# Altium PCB reefpi_pico_v2.pcbdoc (part 1 of 2) (continued)
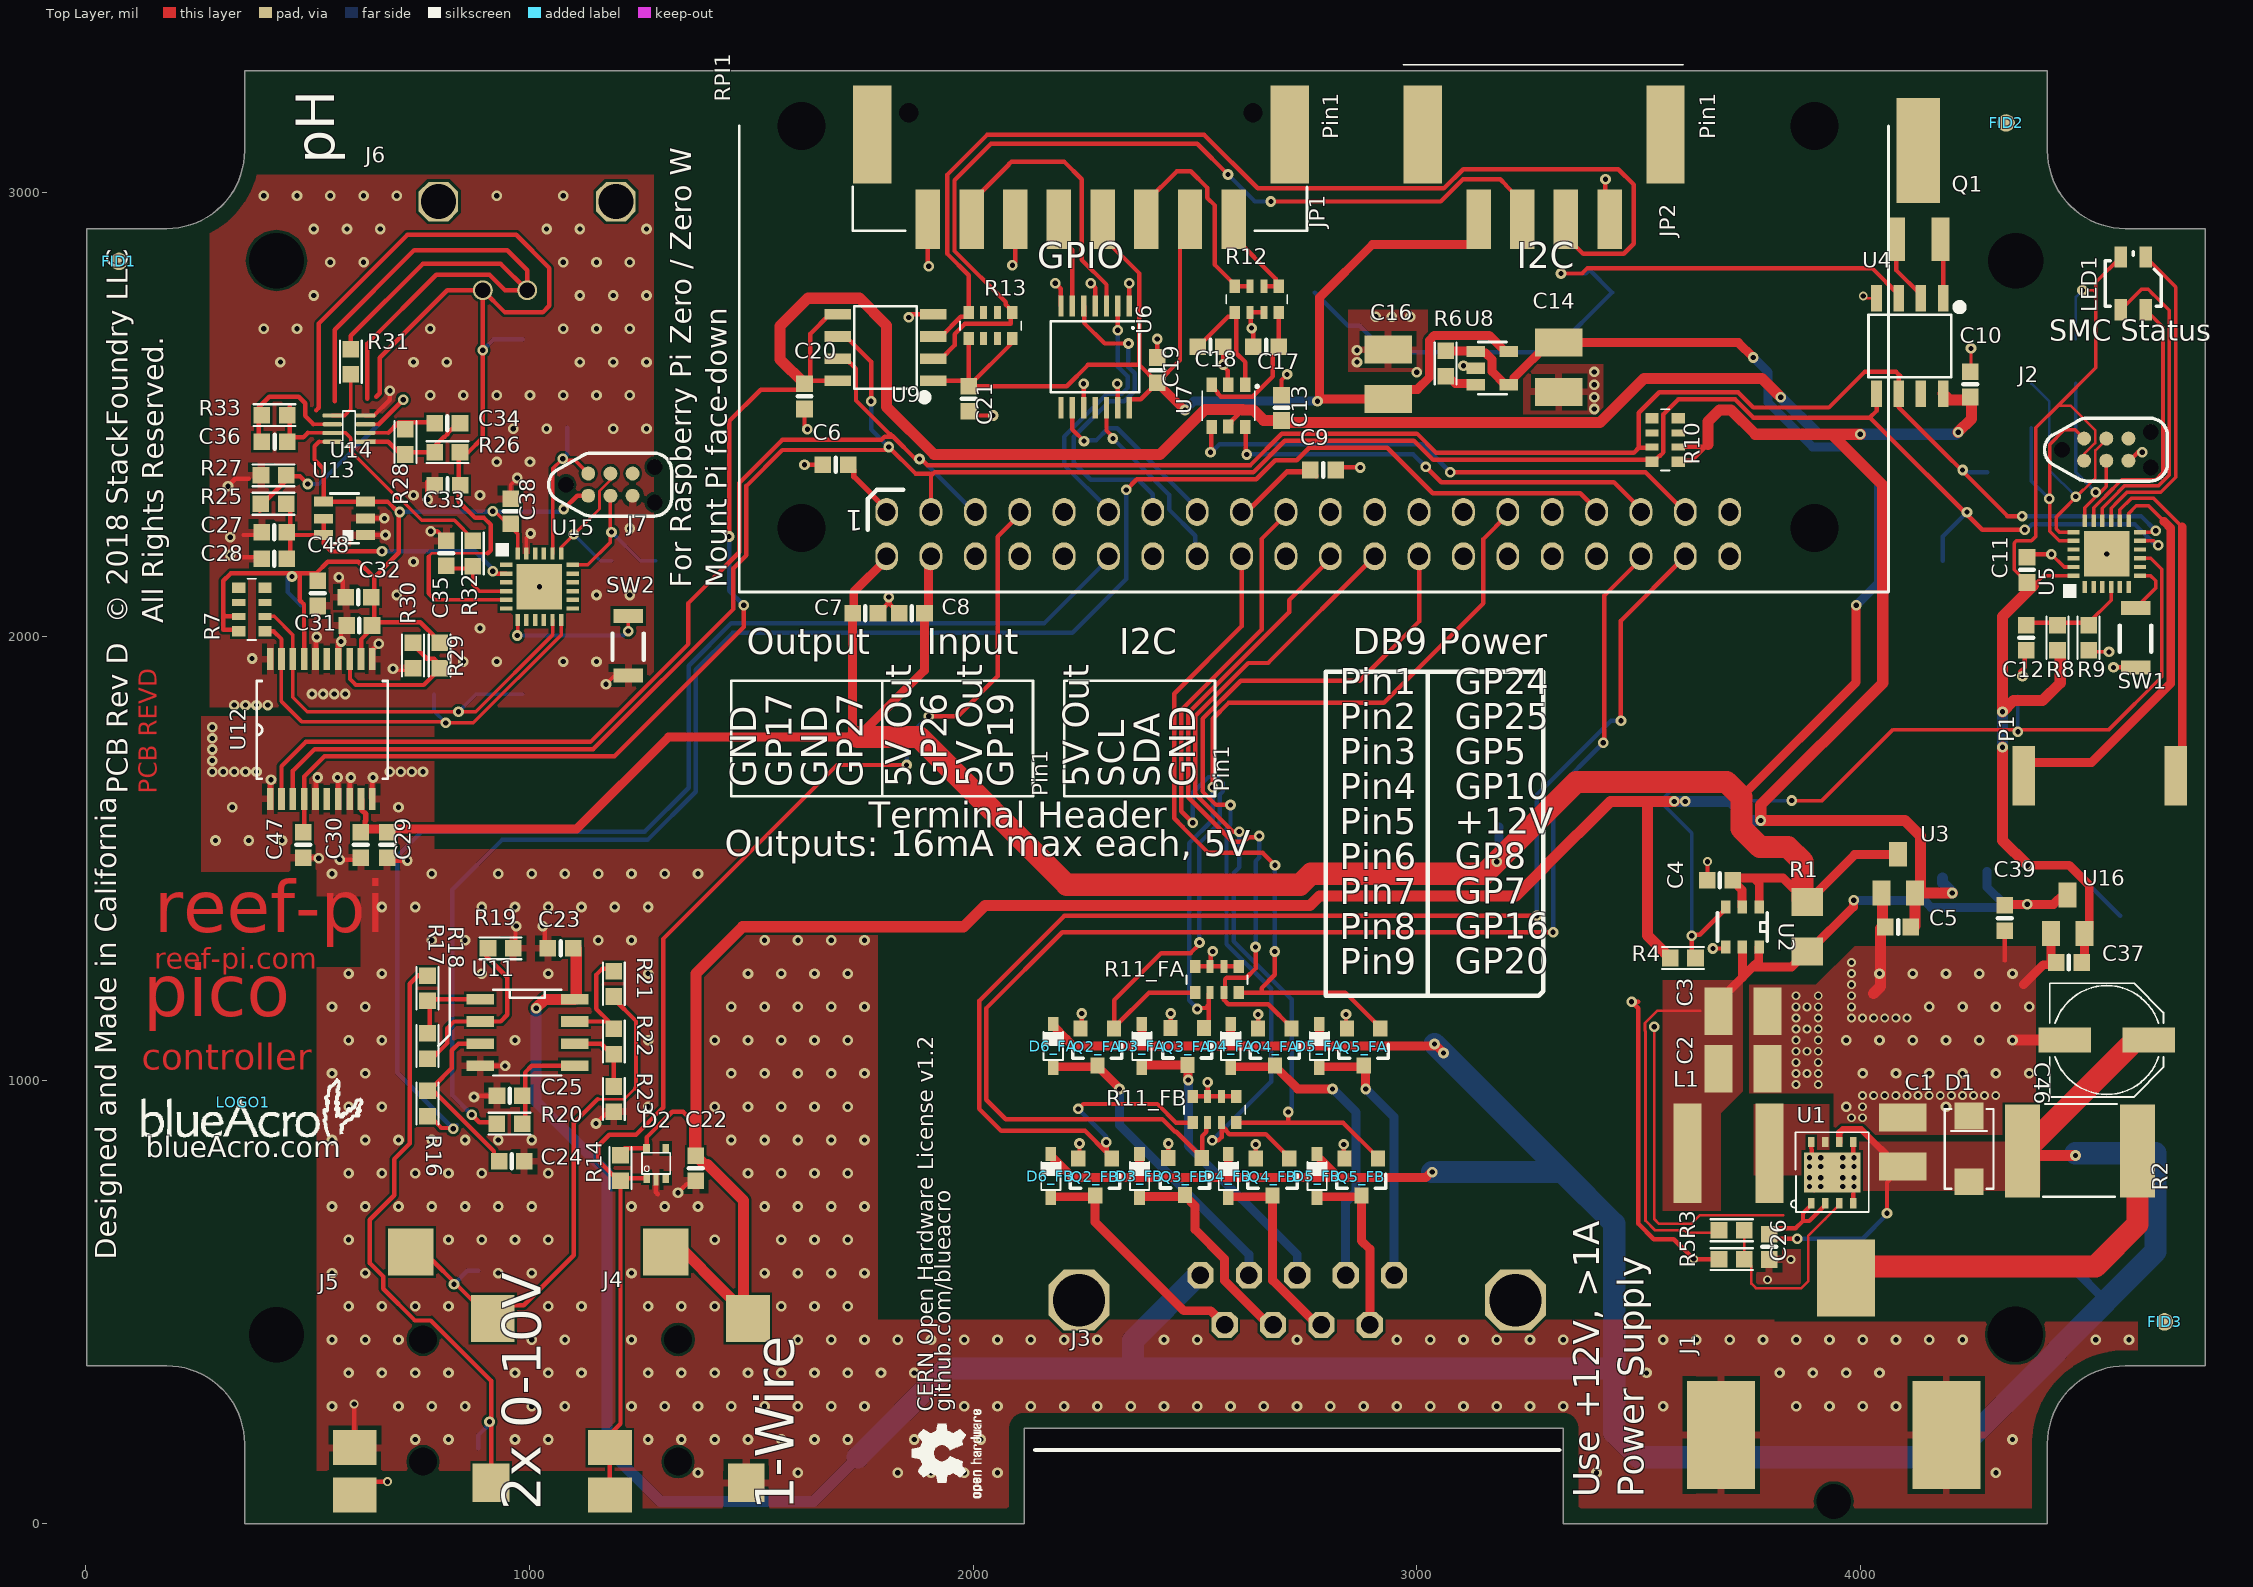
[diagram p0: Top Layer view]
## Components (designator, comment, footprint, x,y, rotation, side; value= is the part's Value field where it differs from the comment)
BAT1 "BATTERY_COIN" BK-885-1216 3105,2775 r180 bottom
C1 "4.7uF" C1210 4094.52,860 r90 top
C2 "4.7uF" C1210 3734.52,1025 r0 top
C3 "4.7uF" C1210 3734.52,1155 r0 top
C4 "0.1uF" C0603 3683,1450 r180 top
C5 "0.1uF" C0603 4084.52,1345 r180 top
C6 "4.7uF 6.3V" C0603 1690,2387 r0 top
C7 "4.7uF 6.3V" C0603 1757.02,2051.73 r0 top
C8 "4.7uF 6.3V" C0603 1861.9,2051.73 r180 top
C9 "4.7uF" C0603 2788.72,2375 r180 top
C10 "0.1uF" C0603 4247,2568 r90 top
C11 "0.1uF" C0603 4375,2150 r90 top
C12 "0.1uF" C0603 4373.8,1996.79 r270 top
C13 "0.1uF" C0603 2695,2515 r90 top
C14 "4.7uF" C1210 3320,2606.87 r270 top
C16 "4.7uF" C1210 2935,2590.32 r90 top
C17 "0.1uF" C0603 2660.28,2652.33 r180 top
C18 "0.1uF" C0603 2535,2652.33 r0 top
C19 "0.1uF" C0603 2415,2600 r90 top
C20 "0.1uF" C0603 1620,2540.85 r270 top
C21 "0.1uF" C0603 1990,2535.41 r270 top
C22 "0.1uF" C0603 1375,801.21 r270 top
C23 "0.1uF" C0603 1070.19,1296.98 r180 top
C24 "4.7uF 6.3V" C0603 960.19,816.98 r0 top
C25 "4.7uF 6.3V" C0603 955.49,964.98 r180 top
C26 "0.1uF" C0603 3794.52,624.13 r270 top
C27 "4.7uF 6.3V" C0603 425,2235 r180 top
C28 "0.1uF" C0603 425,2175 r180 top
C29 "0.1uF" C0603 680,1530 r270 top
C30 "4.7uF 6.3V" C0603 620,1530 r270 top
C31 "4.7uF 6.3V" C0603 616.6,2024.4 r180 top
C32 "0.1uF" C0603 614.6,2088.4 r180 top
C33 "0.1uF" C0603 815.35,2340.4 r180 top
C34 "100pF" C0603 815,2480 r0 top
C35 "0.1uF" C0603 812.6,2187.3 r90 top
C36 "100pF" C0603 425.6,2438.4 r180 top
C37 "0.1uF" C0603 4469.52,1265 r180 top
C38 "0.1uF" C0603 957.6,2281.87 r90 top
C39 "0.1uF" C0603 4324.52,1365 r270 top
C46 "100uF 16V" PANASONIC_D 4554.52,1090 r0 top
C47 "0.1uF" C0603 490,1530 r270 top
C48 "0.1uF" C0603 522.6,2096.87 r270 top
D1 "15V Zener" SMA 4244.52,845 r270 top
D2 "BZA956A,115" SOT665 1285.19,811.98 r0 top
D3_FA "BAS16H" SOD323R_INFINEON 2380.28,1077.07 r270 top (schematic designator D3)
D3_FB "BAS16H" SOD323R_INFINEON 2375,784.07 r270 top (schematic designator D3)
D4_FA "BAS16H" SOD323R_INFINEON 2580.28,1077.07 r270 top (schematic designator D4)
D4_FB "BAS16H" SOD323R_INFINEON 2575,784.07 r270 top (schematic designator D4)
D5_FA "BAS16H" SOD323R_INFINEON 2780.28,1077.07 r270 top (schematic designator D5)
D5_FB "BAS16H" SOD323R_INFINEON 2775,784.07 r270 top (schematic designator D5)
D6_FA "BAS16H" SOD323R_INFINEON 2180.28,1077.07 r270 top (schematic designator D6)
D6_FB "BAS16H" SOD323R_INFINEON 2175,784.07 r270 top (schematic designator D6)
FID1 "FID" FIDUCIAL_1MM 75,2845 r0 top
FID2 "FID" FIDUCIAL_1MM 4328,3157 r0 top
FID3 "FID" FIDUCIAL_1MM 4685,455 r0 top
J1 "PJ-0XX" PJ-036AH 3939.52,200 r90 top
J2 "ICD connector" TC2030-MCP-NL 4553.8,2420.79 r0 top
J3 "M09/DB9" D09S33E4GV00LF 2730.47,560 r180 top
J4 "35RASMT4BHNTRX" 35RASMT4BHNTRX 1335,140 r90 top
J5 "35RASMT4BHNTRX" 35RASMT4BHNTRX 760,140 r90 top
J6 "BNC-1s" 31-5431-10RFX 795,2980 r0 top
J7 "ICD connector" TC2030-MCP-NL 1182.6,2341.87 r0 top
JP1 "M08_PUSHIN" PHOENIX_PTSM_8_1778829 2713.11,3130.94 r180 top
JP2 "M04_PUSHIN" PHOENIX_PTSM_4_1814935 3560.41,3130.94 r180 top
L1 "3.3uH" ASPI_0628 3794.52,835 r180 top
LED1 "LED-TRICOLOR" LED-TRICOLOR-SMD 4614.8,2795.79 r180 top
LOGO1 "BlueAcro Logo" BLUEACRO_LOGO_500MIL 355,950 r0 top
P1 "PIEZEO_PKMCS" PIEZO_PKMCS0909E4000 4538.8,1685.79 r180 top
Q1 "XTAL" CRYSTAL-32KHZ-SMD 4130,2895 r0 top
Q2_FA "AO3414" SOT23-3 2280.28,1077.07 r180 top (schematic designator Q2)
Q2_FB "AO3414" SOT23-3 2275,784.07 r180 top (schematic designator Q2)
Q3_FA "AO3414" SOT23-3 2482.87,1077.7 r180 top (schematic designator Q3)
Q3_FB "AO3414" SOT23-3 2477.6,784.7 r180 top (schematic designator Q3)
Q4_FA "AO3414" SOT23-3 2680.28,1077.07 r180 top (schematic designator Q4)
Q4_FB "AO3414" SOT23-3 2675,784.07 r180 top (schematic designator Q4)
Q5_FA "AO3414" SOT23-3 2880.28,1077.07 r180 top (schematic designator Q5)
Q5_FB "AO3414" SOT23-3 2875,784.07 r180 top (schematic designator Q5)
R1 "0 - opt" R1206 3879.52,1345 r90 top
R2 "PTC" R2920 4494.52,840 r180 top
R3 "158k" R0603 3709.52,661.54 r180 top
R4 "30k" R0603 3599.52,1275 r180 top
R5 "30k" R0603 3709.52,596.54 r0 top
R6 "4.7k" R0603 3065,2615 r90 top
R7 "2.2k" R0603x4 345,2109.96 r270 top
R8 "100k" R0603 4443.8,1996.79 r270 top
R9 "4.7k" R0603 4513.8,1996.79 r90 top
R10 "2.2k" R0603x4 3589.06,2393.44 r90 top
R11_FA "2.2k" R0603x4 2500.28,1197.07 r0 top (schematic designator R11)
R11_FB "2.2k" R0603x4 2495,904.07 r0 top (schematic designator R11)
R12 "2.2k" R0603x4 2688.46,2789.06 r180 top
R13 "2.2k" R0603x4 1990.04,2670.85 r0 top
R14 "4.7k" R0603 1205.19,801.98 r90 top
R16 "158k" R0603 770.19,946.98 r90 top
R17 "220" R0603 770.19,1206.98 r90 top
R18 "69.8k" R0603 770.19,1076.98 r90 top
R19 "30k" R0603 935.19,1296.98 r180 top
R20 "158k" R0603 955.19,901.98 r0 top
R21 "220" R0603 1190.19,1216.98 r270 top
R22 "69.8k" R0603 1190.19,1086.98 r90 top
R23 "30k" R0603 1190.19,956.98 r90 top
R25 "30k" R0603 423.4,2298.81 r0 top
R26 "220" R0603 815,2415 r180 top
R27 "30k" R0603 423.54,2363 r0 top
R28 "30k" R0603 720.6,2438.4 r90 top
R29 "100k" R0603 797.6,1956.87 r90 top
R30 "69.8k" R0603 737.6,1956.87 r90 top
R31 "220" R0603 597.6,2618.87 r270 top
R32 "220" R0603 872.6,2186.87 r270 top
R33 "220" R0603 425.6,2498.4 r0 top
RPI1 "Raspberry Pi Zero" "RPI_ZERO_W - FD" 1612.87,3150 r180 top locked
SW1 "SPST_NO" B3U-1000P 4620,2063.86 r270 top
SW2 "SPST_NO" B3U-1000P 1222.6,2045.72 r270 top
TP1 "TP" TP_0.89mm 4485,570 r180 bottom
TP2 "TP" TP_0.89mm 3185,1570 r180 bottom
TP3 "TP" TP_0.89mm 4285,1470 r180 bottom
TP4 "TP" TP_0.89mm 4154.52,365 r180 bottom
TP5 "TP" TP_0.89mm 4354.52,1865 r180 bottom
TP6 "TP" TP_0.89mm 4585,1370 r180 bottom
TP7 "TP" TP_0.89mm 4185,1470 r180 bottom
TP8 "TP" TP_0.89mm 485,2070 r180 bottom
TP9 "TP" TP_0.89mm 1085,2470 r180 bottom
TP10 "TP" TP_0.89mm 985,2670 r180 bottom
TP11 "TP" TP_0.89mm 1185,2170 r180 bottom
TP12 "TP" TP_0.89mm 985,3070 r180 bottom
TP13 "TP" TP_0.89mm 985,1870 r180 bottom locked
TP14 "TP" TP_0.89mm 1285,2170 r180 bottom
TP15 "TP" TP_0.89mm 785,1870 r180 bottom
TP16 "TP" TP_0.89mm 4485,2670 r180 bottom
TP17 "TP" TP_0.89mm 4385,2470 r180 bottom
TP18 "TP" TP_0.89mm 4385,2570 r180 bottom
TP19 "TP" TP_0.89mm 4485,2570 r180 bottom
TP20 "TP" TP_0.89mm 4585,2570 r180 bottom
TP21 "TP" TP_0.89mm 4185,2170 r180 bottom
TP22 "TP" TP_0.89mm 4285,2370 r180 bottom
TP33 "TP" TP_0.89mm 885,170 r180 bottom
TP34 "TP" TP_0.89mm 885,570 r180 bottom
U1 "ST1S10" VFQFPN8 3888.77,722.64 r90 top
U2 "SIP32509DT" SOT23-6#1 3733.57,1345 r0 top
U3 "MCP1700" SOT23 4084.52,1465 r0 top
U4 "PCF8523" SO-8 4111,2652 r180 top
U5 "ATSAMD11D14A-MUT" QFN24-4x4mm-0.5 4554.8,2185.79 r90 top
U6 "SN74LV4T125" PW14 2275,2630.31 r180 top
U7 "SN74LVC2G17" SOT23-6#2 2575,2520 r270 top
U8 "AP2822_KA" SOT23-5L 3170,2604.5 r270 top
U9 "PCA9507" SO-8 1800,2650.85 r90 top
U11 "MCP6H02" SO-08 995.19,1106.98 r270 top
U12 "ADM3260" SSOP20 415.6,1653.4 r90 top
U13 "MAX6071" SOT23-6L 583.35,2265.8 r90 top
U14 "MAX9637" SC70-8 630.6,2438.72 r180 top
U15 "ATSAMD11D14A-MUT" QFN24-4x4mm-0.5 1022.6,2111.87 r0 top
U16 "MCP1700" SOT23 4466.52,1373.31 r0 top

## Footprints (in the part's own frame and the unit in brackets; to place one, negate y for a bottom-side part, rotate by r counter-clockwise, add the part's x,y. Pads: shape width x height; smd on the part's side, far side on the other; paste and mask are expansions set on the pad)
31-5431-10RFX [mil]
  round 45 hole 35.04: PIN(200,-200) SHIELD(100,-200)
  oct 89x89 hole 79.13: ""(0,0) ""(400,0)
  body extent -113,-260 513,1110, height 684
35RASMT4BHNTRX [mm]
  rect 2.2x2.1 smd paste-0.3 mask+0: 1(-1.2,-3.9)
  rect 2x2.5 smd paste-0.3 mask+0: 2(0.8,3.9) 4(-1.9,3.9)
  rect 2.7x2.5 smd paste-0.3 mask+0: 3(8.2,-4)
  rect 2.7x2.6 smd paste-0.3 mask+0: 5(12,0.7)
  rect 0x0 hole 1.6 unplated paste-0.3 mask+0: ""(0,0) ""(7,0)
  body extent -6,-4.5 13,4.5, height 5.26
ASPI_0628 [mm]
  rect 1.6x5.7 smd paste-0.3 mask+0: 1(0,0) 2(4.7,0)
  body extent -0.5,-3 5.5,3, height 2.62
B3U-1000P [mm]
  rect 0.8x1.7 smd: 1(0,0) 2(3.4,0)
  silkscreen extent 1,-0.9 2.5,0.9, body extent -0.3,-1.25 3.7,1.25, height 1.61
BK-885-1216 [mil]
  rect 160x160 smd paste-100: GND(0,0)
  rect 160x160 smd: VBAT1(-335,0) VBAT2(335,0)
  silkscreen extent -250,-250 250,250, body extent -385,-250 385,250, height 125
BLUEACRO_LOGO_500MIL [mil]
  silkscreen extent -229,-78 270,54
C0603 [mm]
  rect 0.95x0.95 smd: 1(-0.725,0) 2(0.725,0)
  silkscreen extent 0,-0.4 0,0.4, body extent -0.8,-0.4 0.8,0.4, height 0.6
C1210 [mil]
  rect 63x107 smd: 1(-55.12,0) 2(56,0)
  body extent -63,-49 63,49, height 98
CRYSTAL-32KHZ-SMD [mil]
  rect 99x237 smd: SHEILD(0,200)
  rect 40x99 smd: X1(-50,0) X2(50,0)
  body extent -55,-39 55,315, height 79
D09S33E4GV00LF [mm]
  oct 1.5x1.5 hole 1 mask+0.05: 1(-5.54,0) 2(-2.77,0) 3(0,0) 4(2.77,0) 5(5.54,0) 6(-4.155,2.84) 7(-1.385,2.84) 8(1.385,2.84) 9(4.155,2.84)
  oct 3.5x3.5 hole 3 mask+0.05: ""(-12.495,1.42) ""(12.495,1.42)
  silkscreen extent -15,10 15,10, body extent -15.35,-1.7 15.55,17.05, height 12.56
FIDUCIAL_1MM [mm]
  round 1 smd paste-1 mask+1: ""(0,0)
LED-TRICOLOR-SMD [mil]
  rect 28x48 smd: A(28,-59.06) B(28,60) G(-27.56,60) R(-27.56,-59.06)
  silkscreen extent -63,-71 63,52, body extent -55,-69 55,69, height 77
PANASONIC_D [mil]
  rect 119x56 smd: +(95,0) -(-94.49,0)
  silkscreen extent -128,-128 128,128, body extent -138,-130 138,130, height 303
PHOENIX_PTSM_4_1814935 [mm] "2.5mm SMT push in terminal block, base strip"
  rect 1.4x3.4 smd: 1(3.2,4.85) 2(5.7,4.85) 3(8.2,4.85) 4(10.7,4.85)
  rect 2.2x5.6 smd: PAD(0,0) PAD(13.9,0)
  silkscreen extent -1,-4 15,-4, body extent -0.8,-4 14.8,5.5, height 5.01
PHOENIX_PTSM_8_1778829 [mm] "2.5mm SMT push in terminal block, base strip"
  rect 1.4x3.4 smd: 1(3.2,4.85) 2(5.7,4.85) 3(8.2,4.85) 4(10.7,4.85) 5(13.2,4.85) 6(15.7,4.85) 7(18.2,4.85) 8(20.7,4.85)
  rect 2.2x5.6 smd: PAD(0,0) PAD(23.9,0)
  rect 0x0 hole 1.1 unplated paste-0.3 mask+0: ""(2.1,-1.25) ""(21.8,-1.25)
  silkscreen extent -1,3 25,5.5, body extent -0.8,-4 24.8,5.5, height 5.01
PIEZO_PKMCS0909E4000 [mm]
  rect 1.3x3.4 smd paste-0.3 mask+0: 1(-4.35,0) 2(4.35,0)
  body extent -4.5,-4.5 4.5,4.5, height 1.91
PJ-036AH [mm]
  rect 4.4x3.3 smd: 1(9,-0.7)
  rect 6.2x3.9 smd: 2(0,6.45) 3(0,-6.45)
  round 0 hole 2: TAB(-3.8,0)
  body extent -6.91,-7.63 10.21,7.6, height 11.01
PW14 [mil]
  rect 12x48 smd mask+0: 1(-76.77,-114.18) 2(-51.18,-114.18) 3(-25.59,-114.18) 4(0,-114.18) 5(26,-114.18) 6(52,-114.18) 7(77,-114.18) 8(77,115) 9(52,115) 10(26,115) 11(0,115) 12(-25.59,115) 13(-51.18,115) 14(-76.77,115)
  silkscreen extent -100,-80 100,80, body extent -100,-126 100,126, height 47
QFN24-4x4mm-0.5 [mm]
  rect 0.7x0.25 smd mask+0: 1(-1.9,1.25) 2(-1.9,0.75) 3(-1.9,0.25) 4(-1.9,-0.25) 5(-1.9,-0.75) 6(-1.9,-1.25) 13(1.9,-1.25) 14(1.9,-0.75) 15(1.9,-0.25) 16(1.9,0.25) 17(1.9,0.75) 18(1.9,1.25)
  rect 0.25x0.7 smd mask+0: 7(-1.25,-1.9) 8(-0.75,-1.9) 9(-0.25,-1.9) 10(0.25,-1.9) 11(0.75,-1.9) 12(1.25,-1.9) 19(1.25,1.9) 20(0.75,1.9) 21(0.25,1.9) 22(-0.25,1.9) 23(-0.75,1.9) 24(-1.25,1.9)
  rect 2.6x2.6 smd mask+0: PAD(0,0)
  silkscreen extent -2.5,1.75 -1.75,2.5, body extent -2,-2 2,2, height 0.91
R0603 [mm]
  rect 0.95x0.95 smd: 1(-0.725,0) 2(0.725,0)
  silkscreen extent -1.2,-0.63 1.2,0.63, body extent -0.77,-0.4 0.83,0.4, height 0.43
R0603x4 [mm]
  rect 0.6x0.75 smd mask+0.05: 1(0,1.5) 2(0,0) 7(2.5,1.5) 8(2.5,0)
  rect 0.4x0.75 smd mask+0.05: 3(0.85,1.5) 4(0.85,0) 5(1.65,1.5) 6(1.65,0)
  silkscreen extent -0.5,0.5 3,1, body extent -0.35,-0.05 2.85,1.55, height 0.5
R1206 [mil]
  rect 63x71 smd: 1(-55.12,0) 2(56,0)
  body extent -63,-33 63,33, height 23
R2920 [mil]
  rect 79x209 smd: 1(-129.92,0) 2(130,0)
  silkscreen extent -83,-106 83,103, body extent -157,-111 157,111, height 45
"RPI_ZERO_W - FD" [mm] "Face Down"
  oval 1.3x1.6 hole 1.016 paste-0.3 mask+0: 1(-4.88,22.09) 2(-4.88,24.63) 3(-7.42,22.09) 4(-7.42,24.63) 5(-9.96,22.09) 6(-9.96,24.63) 7(-12.5,22.09) 8(-12.5,24.63) 9(-15.04,22.09) 10(-15.04,24.63) 11(-17.58,22.09) 12(-17.58,24.63) 13(-20.12,22.09) 14(-20.12,24.63) 15(-22.66,22.09) 16(-22.66,24.63) 17(-25.2,22.09) 18(-25.2,24.63) 19(-27.74,22.09) 20(-27.74,24.63) 21(-30.28,22.09) 22(-30.28,24.63) 23(-32.82,22.09) 24(-32.82,24.63) 25(-35.36,22.09) 26(-35.36,24.63) 27(-37.9,22.09) 28(-37.9,24.63) 29(-40.44,22.09) 30(-40.44,24.63) 31(-42.98,22.09) 32(-42.98,24.63) 33(-45.52,22.09) 34(-45.52,24.63) 35(-48.06,22.09) 36(-48.06,24.63) 37(-50.6,22.09) 38(-50.6,24.63) 39(-53.14,22.09) 40(-53.14,24.63)
  round 0 hole 2.75 unplated paste-0.3 mask+2.5: ""(-58,0) ""(-58,23) ""(0,23) ""(0,0)
  silkscreen extent -62.23,0 3.56,26.67, body extent -62.41,-4.33 3.49,26.92, height 14.05
SC70-8 [mm]
  rect 1.15x0.25 smd mask+0: 1(0,0)
  oval 1.15x0.25 smd mask+0: 2(0,-0.5) 3(0,-1) 4(0,-1.5) 5(1.9,-1.5) 6(1.9,-1) 7(1.9,-0.5) 8(1.9,0)
  silkscreen extent 0.59,-1.75 1.31,0.33, body extent -0.15,-1.75 1.95,0.25, height 0.93
SMA [mil]
  rect 60x66 smd: A(74,0) C(-74,0)
  silkscreen extent -90,-55 90,55, body extent -108,-55 108,55, height 91
SO-8 [mil]
  rect 24x60 smd: 1(-75,-110) 2(-25,-110) 3(25,-110) 4(75,-110) 5(75,105) 6(25,105) 7(-25,105) 8(-75,105)
  silkscreen extent -118,-96 93,68, body extent -100,-122 100,114, height 67
SO-08 [mil]
  rect 24x62 smd: 1(-75,-106.3) 2(-25,-106.3) 3(25,-106.3) 4(75,-106.3) 5(75,107) 6(25,107) 7(-25,107) 8(-75,107)
  silkscreen extent -96,-77 97,77, body extent -100,-122 100,114, height 67
SOD323R_INFINEON [mil]
  rect 32x24 smd: A(50,0) K(-49.21,0)
  silkscreen extent -31,-22 32,22, body extent -51,-27 51,27, height 43
SOT23 [mil]
  rect 40x56 smd: 1(-37.4,-43.31) 2(38,-43.31) 3(0,44)
  body extent -59,-49 59,49, height 44
SOT23-3 [mil]
  rect 32x36 smd: 1(-37.4,-39.37) 2(38,-39.37) 3(0,44)
  silkscreen extent -55,-4 56,28, body extent -57,-50 57,60, height 51
SOT23-5L [mm]
  rect 0.65x1.06 smd: 1(-0.95,-0.95) 2(0,-0.95) 3(0.95,-0.95) 4(0.95,0.95) 5(-0.95,0.95)
  silkscreen extent -1.5,-0.81 1.5,0.81, body extent -1.5,-1.25 1.5,1.25, height 1.11
SOT23-6#1 [mil]
  rect 22x30 smd mask+2: 1(38,45) 2(0,45) 3(-37.4,45) 4(-37.4,-45) 5(0,-45) 6(38,-45)
  silkscreen extent -56,-32 56,32, body extent -54,-49 56,47, height 43
SOT23-6#2 [mil]
  rect 32x24 smd mask+0.79: 1(-47.24,38) 2(-47.24,0) 3(-47.24,-37.4) 4(48,-37.4) 5(47.24,0) 6(48,38)
  silkscreen extent -46,-59 34,68, body extent -48,-55 47,55, height 43
SOT23-6L [mm]
  rect 0.559x1.1 smd mask+0.03: 1(-0.95,-1.2) 2(0,-1.2) 3(0.965,-1.2) 4(0.965,1.2) 5(-0.015,1.2) 6(-0.95,1.2)
  silkscreen extent -1.42,-0.81 1.42,0.81, body extent -1.4,-1.21 1.39,1.21, height 1.09
SOT665 [mil]
  rect 15x20 smd: 1(-21.14,-33.46) 3(22,-33.46) 4(22,34) 5(-21.18,34)
  rect 12x26 smd: 2(0,-36.34)
  silkscreen extent -31,-24 32,24, body extent -31,-31 31,32, height 24
SSOP20 [mm]
  rect 1.25x0.38 smd mask+0.03: 1(-0.5,0) 2(-0.5,-0.65) 3(-0.5,-1.3) 4(-0.5,-1.95) 5(-0.5,-2.6) 6(-0.5,-3.25) 7(-0.5,-3.9) 8(-0.5,-4.55) 9(-0.5,-5.2) 10(-0.5,-5.85) 11(7.5,-5.85) 12(7.5,-5.2) 13(7.5,-4.55) 14(7.5,-3.9) 15(7.5,-3.25) 16(7.5,-2.6) 17(7.5,-1.95) 18(7.5,-1.3) 19(7.5,-0.65) 20(7.5,0)
  silkscreen extent 0.66,-6.73 6.25,0.76, body extent -0.58,-6.67 7.63,0.82, height 2.01
TC2030-MCP-NL [mm] "Conector ICD en placa"
  round 0.8 smd paste-0.4: 1(-1.27,-0.635) 2(-1.27,0.635) 3(0,-0.635) 4(0,0.635) 5(1.27,-0.635) 6(1.27,0.635)
  round 0.85 hole 0.9 unplated mask+0: ""(-2.54,0) ""(2.54,-1.016) ""(2.54,1.016)
  silkscreen extent -3.54,-1.8 3.5,1.8, body extent -3.54,-1.8 3.5,1.8
TP_0.89mm [mm]
  round 0.89 smd paste-1.27: 1(0,0)
VFQFPN8 [mm]
  rect 0.6x0.38 smd mask+0.05: 1(0,0) 2(0,-0.8) 3(0,-1.6) 4(0,-2.4) 5(3.5,-2.4) 6(3.5,-1.6) 7(3.5,-0.8) 8(3.5,0)
  rect 2.3x3.24 smd paste-2 mask+0.05: PAD(1.75,-1.2)
  silkscreen extent -0.51,-3.3 4.06,1.16, body extent -0.25,-3.2 3.75,0.8, height 0.86

## Part data
C1 C2 C3 C4 C5 C6 C7 C8 C9 C10 C11 C12 C13 C14 C16 C17 C18 C19 C20 C21 C22 C23 C24 C25 C26 C27 C28 C29 C30 C31 C32 C33 C34 C35 C36 C37 C38 C39 C47 C48: library part C-EU
C46: library part CPOL-US
D1: library part ZENER-DIODE
D2: library part DIODE_TVS_4x
D3_FA D3_FB D4_FA D4_FB D5_FA D5_FB D6_FA D6_FB: library part DIODE
J2 J7: library part TC2030-SWD-NL, "Conector par ICD"
L1: library part L-US
Q1: library part CRYSTAL32-SMD
Q2_FA Q2_FB Q3_FA Q3_FB Q4_FA Q4_FB Q5_FA Q5_FB: library part NFET
R1 R2 R3 R4 R5 R6 R8 R9 R14 R16 R17 R18 R19 R20 R21 R22 R23 R25 R26 R27 R28 R29 R30 R31 R32 R33: library part R-US
R7 R10 R11_FA R11_FB R12 R13: library part R-US-4ch
RPI1: library part "RPI Zero"
U8: Supplier Part Number 1=AP2822AKATR-G1DICT-ND, Supplier 1=Digi-Key
U11: Supplier 1=Digi-Key

## Free pads (board coordinates)
  rect 0x0 hole 125 paste-11.81 mask+0: ""(430,426) ""(4350,2847)
  rect 0x0 hole 125 unplated paste-11.81 mask+0: ""(430,2847) ""(4349,427)

## Via types
v1: diameter 24, hole 11.81, Top Layer to Bottom Layer, tented both sides, 536 vias
v2: diameter 20, hole 11.81, Top Layer to Bottom Layer, tented both sides, 73 vias

## Nets (pads, with @x,y where several pads share a name; then routed paths per layer and width w, separated by ;. In a path a pad name is that pad's centre, name@x,y a point inside that pad or via, vN(x,y) a via of type N, cw(c..) or ccw(c..) an arc to the next point about the centre after c; other vN are vias at no path point)
3V3: C5.1 C10.1 C13.1 C20.1 C22.1 C47.1 D2.5 J4.3 J4.5 R4.2 R10.2 R10.4 R14.2 TP7.1 U3.2 U4.8 U7.5 U9.5 U9.8 U12.4 | length 12226.4
  Top Layer w10: C47.1@490,1565.43 492.37,1567.8 U12.4@492.37,1633.72 492.37,1684.16 538.21,1730 1191.72,1730 1482.78,2021.06 v1(1482.78,2070) ; R14.2@1205.19,835.98 1215.19,845.98 D2.5@1264.01,845.98 1264.01,870.8 1321.65,928.44 1346.3,928.44 1364.74,910 1364.74,840.02 C22.1@1375,829.75 ; v1(1450,2225) 1450,2484.59 1521.1,2555.69 1606.3,2555.69 C20.1@1620,2569.39 C20.1@1626.46,2575.85 ; U9.8@1695,2575.85 C20.1@1626.46,2575.85 ; U9.5@1695,2725.85 1677,2725.85 1632.66,2681.51 1632.66,2582.05 C20.1@1626.46,2575.85 ; U7.5@2575,2472.76 2582,2479.76 2582,2484.56 2607.44,2510 2608.44,2511 ; R10.2@3589.06,2393.44 3590.98,2395.37 3618.82,2395.37 3650.35,2426.91 ; R10.4@3589.06,2426.91 3650.35,2426.91 ; 3655.72,2432.27 3650.35,2426.91 ; 3285.07,1476.93 3285.07,1483.07 3288.13,1480 3285.07,1476.93
  Top Layer w25: J4.5@1319.69,642.44 1459.27,502.85 1482.46,502.85 1482.46,728.77 1401.36,809.87 1394.89,809.87 C22.1@1375,829.75 1375,1240 1480.5,1345.5 1978.46,1345.5 2026.51,1393.54 2758.85,1393.54 2780.31,1415 3223.13,1415 3285.07,1476.93 ; C20.1@1620,2569.39 1565,2624.39 1565,2699.48 1627.52,2762 1743.86,2762 1805,2700.86 1805,2516.86 1912.36,2409.5 2420.94,2409.5 2522.44,2511 2608.44,2511 ; 2607.44,2510 2631.46,2510 2655,2486.46 C13.1@2695,2486.46 2699.65,2481.8 3412.63,2481.8 3511.74,2580.91 3778.09,2580.91 v1@3815.46,2543.54 ; 3288.13,1480 3436.13,1628 3520,1628 ; R4.2@3570.98,1275 3520,1325.98 3520,1628 ; v1(3580,1628) 3520,1628 ; 3655.72,2432.27 3655.72,2483.85 3682.37,2510.5 3707.63,2510.5 3762.63,2455.5 3934.5,2455.5 ; v1(3999.5,2455.5) 3934.5,2455.5 ; C5.1@4119.96,1345 4122.52,1347.57 U3.2@4122.52,1421.69 ; U4.8@4186,2547 4200.43,2532.57 4247,2532.57 4250,2529.57 4250,2490 v1(4220,2460) ; v1(4206.69,1421.69) U3.2@4122.52,1421.69 ; 3934.5,2455.5 4050,2340 4050,1895 3775,1620 v1(3775,1585) 4100,1585 4135,1550 4135,1434.17 U3.2@4122.52,1421.69
  Bottom Layer w10: v1(1450,2225) 1450,2102.78 v1(1482.78,2070)
  Bottom Layer w25: v1(3580,1628) v1(3605,1628) 3707,1628 3750,1585 v1(3775,1585) ; v1(3820.23,2538.77) 3903.5,2455.5 v1(3999.5,2455.5) 4215.5,2455.5 v1(4220,2460) ; TP7.1@4185,1455.82 4185,1444.78 4206.69,1423.09 v1(4206.69,1421.69)
3V3_SMC: C11.1 C37.1 J2.1 LED1.A R8.2 TP6.1 TP16.1 U5.24 U16.2 | length 2822.9
  Top Layer w6: 4445,2520 4473.14,2520 4528.55,2464.59 4528.55,2435.54 4503.8,2410.79 J2.1@4503.8,2395.79 ; v1(4500,2780) 4525,2780 4530,2775 ; C37.1@4504.52,1265.43 C37.1@4504.96,1265
  Top Layer w8: U5.24@4480,2136.57 4412.01,2136.57 4390,2114.57 4379.16,2125.41 4371.05,2125.41 4346.3,2150.16 4346.3,2210.24 4351.17,2215.12 4385.12,2215.12 4395,2225 4395,2470 4445,2520 4530,2605 4530,2775 4530,2798.04 LED1.A@4586.8,2854.84
  Top Layer w10: C37.1@4504.52,1265.43 C37.1@4509.09,1270
  Top Layer w20: v1(4375.77,1484.23) 4470.23,1484.23 4515.48,1438.98 4515.48,1340.96 U16.2@4504.52,1330 C37.1@4504.52,1265.43
  Top Layer w25: v1(4320,1750) 4320,1540 v1(4375.77,1484.23) ; C11.1@4390,2114.57 4320,2044.57 v1(4320,1830) 4345,1855 4410,1855 4450,1895 R8.2@4450,1962.79
  Bottom Layer w6: TP16.1@4485,2670 4485,2765 v1(4500,2780)
  Bottom Layer w10: v1(4375.77,1484.23) 4470.77,1484.23 TP6.1@4585,1370
  Bottom Layer w25: v1(4320,1750) v1(4320,1830)
5V: C4.1 C7.1 C8.1 C14.1 C29.1 C30.1 R1.2 R6.2 RPI1.2 RPI1.4 TP2.1 U2.1 U2.2 U3.3 U8.1 U8.4 U12.9 | length 7496.6
  Top Layer w12: U12.9@620.32,1633.72 621.8,1632.24 621.8,1608.77 631.37,1599.2 631.37,1585.12 629.5,1583.24 629.5,1571.24 C30.1@624.01,1565.76
  Top Layer w20: C30.1@620,1565.43 1105.84,1565.43 1313.4,1773 1740,1773 ; RPI1.2@1805,2180.31 1805,2174.41 1731.02,2100.43 1731.02,2054.28 C7.1@1728.48,2051.73 1728.48,1784.52 1740,1773 ; RPI1.4@1905,2180.31 1899.03,2174.35 1899.03,2060.32 C8.1@1890.45,2051.73 1890.45,1923.45 1740,1773 ; R6.2@3070,2643.54 3070.82,2642.72 3131.78,2642.72 U8.1@3132.6,2641.9 3135.39,2639.11 3154.28,2639.11 3169.46,2623.92 3169.46,2596.96 3199.33,2567.1 U8.4@3207.4,2567.1 3215.47,2567.1 3218.27,2569.89 3218.27,2582.25 3298,2661.98 C14.1@3320,2661.98 3724.78,2661.98 v1(3758.22,2628.54) ; 3731.5,1638.02 3990,1896.52 v1(3990,2070) ; U2.2@3733.57,1390 3732.57,1391 3732.57,1428.98 C4.1@3711.54,1450 3716.54,1455 3760,1455 ; U2.1@3771.57,1390 3771.57,1443.43 3760,1455 ; R1.2@3869.02,1411.5 3825.52,1455 3760,1455 ; R1.2@3879.52,1401 3986.52,1508 4083.52,1508 U3.3@4084.52,1509
  Top Layer w50: 1740,1773 1877.81,1773 2210.81,1440 2736.49,1440 2761.49,1465 3152.77,1465 v1(3180,1492.23) 3359.27,1671.5 3698.02,1671.5 3731.5,1638.02 3731.5,1566.98 3773.2,1525.28 3835.97,1525.28 3869.02,1492.23 3869.02,1411.5 3869.02,1407.5 3875.52,1401 R1.2@3879.52,1401
  Bottom Layer w20: v1(3180,1492.23) 3180,1493.32 3185,1498.32 TP2.1@3185,1570 ; v1(3758.22,2628.54) 3791.73,2595.04 3791.73,2526.97 3891.7,2427 3963,2427 4040,2350 4040,2120 v1(3990,2070)
5V_PROT: C16.1 C19.1 C21.1 JP1.2 JP1.4 JP2.4 R13.2 R13.8 U6.14 U8.5 U9.1 | length 3287.4
  Top Layer w10: U9.1@1910,2575.85 1978.11,2575.85 C21.1@1990,2563.96 ; R13.2@1990.04,2670.85 C21.1@1990,2563.96 ; R13.8@2088.46,2670.85 2088.46,2662.42 C21.1@1990,2563.96 ; JP1.4@2291.85,2940 2291.85,2900.63 2374.77,2817.71 2374.77,2611.69 ; U6.14@2351.77,2515.31 2351.77,2533.31 2352.77,2534.31 2377.86,2534.31 C19.1@2415,2571.46 ; JP1.2@2488.7,2940 2466.14,2917.44 2466.14,2622.6 C19.1@2415,2571.46 ; C21.1@1990,2563.96 C21.1@1990,2563.96 ; C21.1@1990,2563.96 2211.04,2563.96 2258.77,2611.69 2374.77,2611.69 ; 2374.77,2611.69 C19.1@2415,2571.46
  Top Layer w20: C19.1@2415,2571.46 2476.46,2510 v1(2477.41,2510) ; JP2.4@3139.15,2940 3139.15,2900.63 3121.59,2883.07 2899.98,2883.07 2780.98,2764.06 2780.98,2534.88 2943.68,2534.88 2965.5,2556.7 3001.3,2556.7 3028,2583.4 3028,2666.57 3039.67,2678.24 3162.99,2678.24 3199.33,2641.9 U8.5@3207.4,2641.9
  Bottom Layer w20: v1(2477.41,2510) 2497.41,2530 v1(2776.09,2530)
5V_SMC: C2.1 C3.1 C39.1 L1.2 R1.1 R3.2 TP3.1 U2.5 U2.6 U16.3 | length 2011.8
  Top Layer w6: L1.2@3609.48,771.04 L1.2@3609.48,835 ; 3638.88,1156.54 3541.84,1156.54 3514,1128.7 3514,1111.3 3515.21,1110.09 3515.21,683.31 3536.99,661.54 3604.3,661.54 3610.3,655.54 3674.98,655.54 R3.2@3680.98,661.54
  Top Layer w20: C3.1@3679.4,1155 3679.4,1177 3733.57,1231.16 ; U2.5@3733.57,1300 3733.57,1231.16 ; U2.6@3771.57,1300 3770.57,1299 3770.57,1268.16 3757.4,1255 ; v1(3984.52,1405) 3983.76,1404.23 3983.76,1390.12 3883.52,1289.88 R1.1@3879.52,1289.88 3844.64,1255 3757.4,1255 ; C39.1@4324.52,1400.43 4328.96,1396 v1(4375.52,1396) 4434.52,1396 U16.3@4458.52,1420 ; 3733.57,1231.16 3757.4,1255
  Bottom Layer w20: v1(3984.52,1405) 4143.06,1405 4159.06,1389 4316.52,1389 4323.52,1396 ; TP3.1@4285,1470 4285,1434.52 4323.52,1396 ; v1(4375.52,1396) 4323.52,1396
12V: C1.1 C23.1 C26.1 C46.+ D1.A D3_FA.K D3_FB.K D4_FA.K D4_FB.K D5_FA.K D5_FB.K D6_FA.K D6_FB.K J3.5 R2.2 TP1.1 U1.1 U1.2 U1.6 U11.8 | length 10693.7
  Top Layer w10: v1(3857.45,642.44) 3804.76,642.44 C26.1@3794.52,652.67 3808.22,666.38 3854.16,666.38 3870.23,682.44 ; U1.1@3888.77,722.64 3888.77,718.31 3870.23,699.76 3870.23,682.44 ; U1.2@3920.27,722.64 3920.27,718.31 3884.4,682.44 3870.23,682.44 ; v1(4059.52,699.89) 4059.52,769.88 C1.1@4094.52,804.88 C1.1@4085.12,804.88
  Top Layer w15: U1.6@3951.77,860.43 3951.77,880.62 3959.77,888.63 4001.37,888.63 C1.1@4085.12,804.88
  Top Layer w20: D6_FB.K@2175,833.28 2175,829.28 2205,799.28 2205,798.81 2223.81,780 2823.81,780 ; D6_FA.K@2180.28,1126.28 2180.28,1122.28 2210.28,1092.28 2210.28,1091.81 2225.02,1077.07 2380.28,1077.07 ; 2375,784.07 D3_FB.K@2375,833.28 ; D3_FA.K@2380.28,1126.28 2380.28,1077.07 ; 2575,784.07 D4_FB.K@2575,833.28 ; D4_FA.K@2580.28,1126.28 2580.28,1077.07 ; D5_FB.K@2775,833.28 2775,829.28 2800.23,804.05 2800.23,803.58 2823.81,780 ; D5_FA.K@2780.28,1126.28 2780.28,1077.07 ; v1@3029.05,789.44 3019.61,780 2823.81,780 ; v1@3039.7,1077.07 2780.28,1077.07 ; v1(3039.7,1081.44) v1(3060,1061.14) ; 2380.28,1077.07 2580.28,1077.07 ; 2580.28,1077.07 2780.28,1077.07
  Top Layer w25: v1(1015.19,1161.98) 1035.19,1181.98 U11.8@1102.19,1181.98 1105.62,1185.41 C23.1@1105.62,1296.98 ; R2.2@4364.52,840 4374.52,830 v1(4484.52,830)
  Top Layer w50: R2.2@4364.52,840 4369.52,840 4619.52,1090 C46.+@4649.52,1090
  Bottom Layer w10: v1(3857.45,642.44) 4004.8,642.44 v1@4060.89,698.53
  Bottom Layer w20: TP1.1@4485,570 4545,510
  Bottom Layer w25: v1(1015.19,1161.98) 1015.19,951.98 1175,792.17 1175,170 1295,50 1640,50 1740,150
  Bottom Layer w50: 1740,150 1940,350 2360,350 ; J3.5@2509.5,562.86 2360,413.35 2360,350 ; v1(3034.42,792.55) 3321.41,792.55 3325,796.14 ; v1(3039.7,1081.44) v1(3060,1061.14) 3325,796.14 ; v1@4484.52,835 4665,835 4665,613.34 4442.5,390.84 4442.5,388.27 4204.23,150 3500,150 3445,205 3445,350 ; 2360,350 3445,350 ; 3325,796.14 3445,676.14 3445,350
GISO: C27.2 C28.2 C31.2 C32.2 C33.2 C35.2 C38.2 C48.2 J7.5 R27.1 R30.1 SW2.2 TP12.1 U12.11 U12.14 U12.16 U12.20 U13.1 U13.2 U14.4 U15.23 U15.PAD | length 818
  Top Layer w8: U14.4@630.6,2497.77 U14.4@649.97,2497.77 ; v1(692.6,1926.87) 696.06,1923.4 R30.1@737.6,1923.4 ; C38.2@957.6,2317.3 957.6,2341.87 v1(972.6,2356.87) ; U15.23@993.07,2186.67 993.07,2222.34 v1(1002.6,2231.87) ; v1(1172.6,1891.87) 1192.6,1911.87 SW2.2@1222.6,1911.87
  Top Layer w10: v1(320.6,2338.4) 337.2,2355 367.13,2355 ; v1(325.6,2183.4) v1@330.6,2178.4 ; v1(325.6,2223.4) v1@330.6,2228.4 ; 355.6,2178.4 C28.2@390.17,2178.4 ; 355.6,2228.4 C27.2@390.17,2228.4 ; U12.16@517.96,1948.68 517.96,1995.76 v1(520.6,1998.4) ; U12.14@569.14,1948.68 569.14,1981.94 v1(575.6,1988.4) 575.6,2018.83 C31.2@581.17,2024.4 ; v1(570.6,2133.4) 579.17,2124.83 C32.2@579.17,2088.4 ; U13.1@630.6,2228.4 v1(675.6,2228.4) ; U13.2@630.6,2265.8 v1(673.2,2265.8) ; U12.11@645.91,1948.68 645.91,1968.72 v1(660.6,1983.4) ; U14.4@649.97,2497.77 685.6,2533.4 v1(685.6,2553.4) ; C33.2@770.17,2348.4 770.17,2308.83 v1(770.6,2308.4) ; v1(777.6,2236.87) 792.6,2236.87 C35.2@812.6,2216.87
  other v1: 335,1845 360,1845 385,1845 410,1845 510,1870 535,1870 560,1870 585,1870 851.23,1943.11 926.23,1943.11 1076.23,1943.11 1151.23,1943.11 375,1950 888.73,2018.11 701.23,2093.11 1151.23,2093.11 1226.23,2093.11 1022.6,2111.87 738.73,2168.11 1226.23,2243.11 738.73,2318.11 888.73,2318.11 926.23,2393.11 1001.23,2393.11 963.73,2468.11 1038.73,2468.11 1188.73,2468.11 1263.73,2468.11 776.23,2543.11 851.23,2543.11 926.23,2543.11 1001.23,2543.11 1076.23,2543.11 1151.23,2543.11 1226.23,2543.11 438.73,2618.11 738.73,2618.11 813.73,2618.11 1113.73,2618.11 1188.73,2618.11 1263.73,2618.11 401.23,2693.11 476.23,2693.11 776.23,2693.11 1076.23,2693.11 1151.23,2693.11 1226.23,2693.11 513.73,2768.11 1113.73,2768.11 1188.73,2768.11 1263.73,2768.11 551.23,2843.11 626.23,2843.11 1076.23,2843.11 1151.23,2843.11 1226.23,2843.11 513.73,2918.11 588.73,2918.11 663.73,2918.11 1038.73,2918.11 1113.73,2918.11 1263.73,2918.11 401.23,2993.11 476.23,2993.11 551.23,2993.11 626.23,2993.11 701.23,2993.11 926.23,2993.11 1076.23,2993.11